# KiCad board europe-ergo-smd.kicad_pcb (continued)
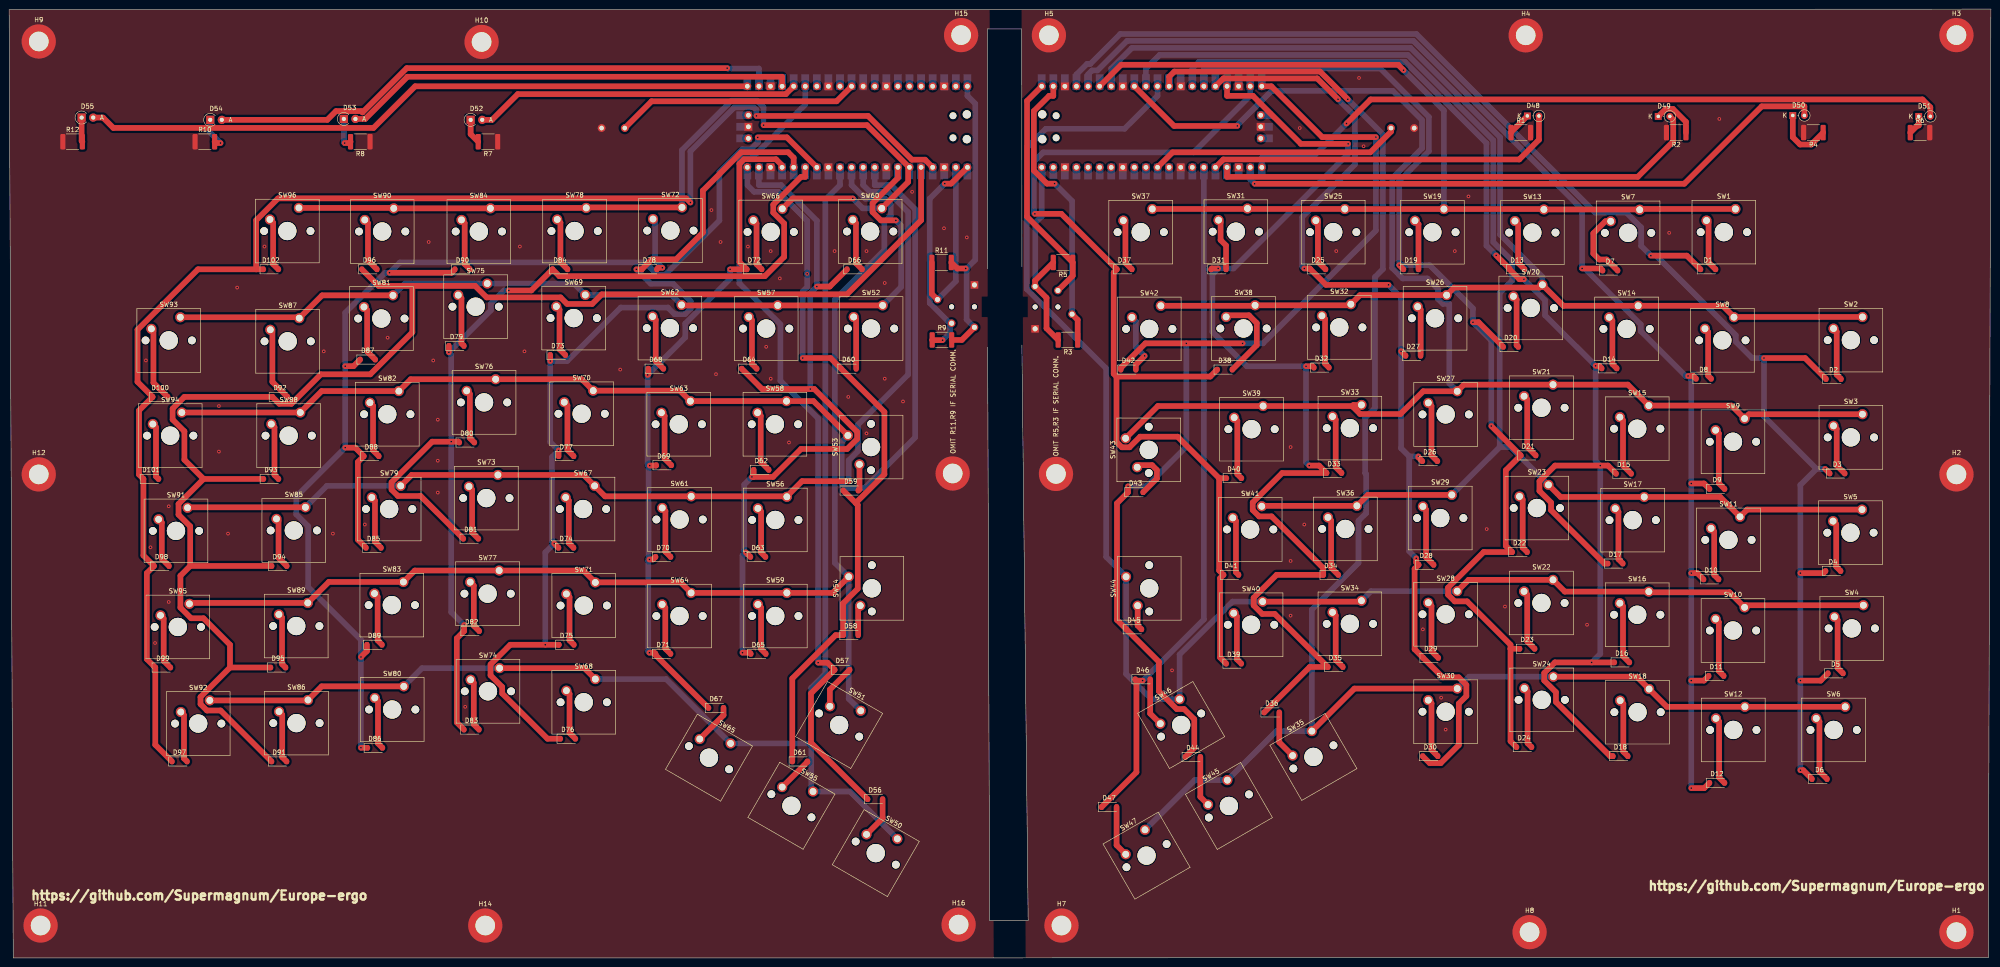
[diagram p0: board, top side]
## Nets (continued)
SDA I2C0: J2.2 R9.1 U2.1
sdaR: J1.2 R5.1 U1.1
Net-(D1-A): D1.2 SW1.2
Net-(D2-A): D2.2 SW2.2
Net-(D3-A): D3.2 SW3.2
Net-(D4-A): D4.2 SW5.2
Net-(D5-A): D5.2 SW4.2
Net-(D6-A): D6.2 SW6.2
Net-(D7-A): D7.2 SW7.2
Net-(D8-A): D8.2 SW8.2
Net-(D9-A): D9.2 SW9.2
Net-(D10-A): D10.2 SW11.2
Net-(D11-A): D11.2 SW10.2
Net-(D12-A): D12.2 SW12.2
Net-(D13-A): D13.2 SW13.2
Net-(D14-A): D14.2 SW14.2
Net-(D15-A): D15.2 SW15.2
Net-(D16-A): D16.2 SW16.2
Net-(D17-A): D17.2 SW17.2
Net-(D18-A): D18.2 SW18.2
Net-(D19-A): D19.2 SW19.2
Net-(D20-A): D20.2 SW20.2
Net-(D21-A): D21.2 SW21.2
Net-(D22-A): D22.2 SW23.2
Net-(D23-A): D23.2 SW22.2
Net-(D24-A): D24.2 SW24.2
Net-(D25-A): D25.2 SW25.2
Net-(D26-A): D26.2 SW27.2
Net-(D27-A): D27.2 SW26.2
Net-(D28-A): D28.2 SW29.2
Net-(D29-A): D29.2 SW28.2
Net-(D30-A): D30.2 SW30.2
Net-(D31-A): D31.2 SW31.2
Net-(D32-A): D32.2 SW32.2
Net-(D33-A): D33.2 SW33.2
Net-(D34-A): D34.2 SW36.2
Net-(D35-A): D35.2 SW34.2
Net-(D36-A): D36.2 SW35.2
Net-(D37-A): D37.2 SW37.2
Net-(D38-A): D38.2 SW38.2
Net-(D39-A): D39.2 SW40.2
Net-(D40-A): D40.2 SW39.2
Net-(D41-A): D41.2 SW41.2
Net-(D42-A): D42.2 SW42.2
Net-(D43-A): D43.2 SW43.2
Net-(D44-A): D44.2 SW45.2
Net-(D45-A): D45.2 SW44.2
Net-(D46-A): D46.2 SW46.2
Net-(D47-A): D47.2 SW47.2
Net-(D48-K): D48.1 R1.1
Net-(D49-K): D49.1 R2.1
Net-(D50-K): D50.1 R4.1
Net-(D51-K): D51.1 R6.1
Net-(D52-K): D52.1 R7.2
Net-(D53-K): D53.1 R8.2
Net-(D54-K): D54.1 R10.2
Net-(D55-K): D55.1 R12.2
Net-(D56-A): D56.2 SW50.2
Net-(D57-A): D57.2 SW51.2
Net-(D58-A): D58.2 SW54.2
Net-(D59-A): D59.2 SW53.2
Net-(D60-A): D60.2 SW52.2
Net-(D61-A): D61.2 SW55.2
Net-(D62-A): D62.2 SW58.2
Net-(D63-A): D63.2 SW56.2
Net-(D64-A): D64.2 SW57.2
Net-(D65-A): D65.2 SW59.2
Net-(D66-A): D66.2 SW60.2
Net-(D67-A): D67.2 SW65.2
Net-(D68-A): D68.2 SW62.2
Net-(D69-A): D69.2 SW63.2
Net-(D70-A): D70.2 SW61.2
Net-(D71-A): D71.2 SW64.2
Net-(D72-A): D72.2 SW66.2
Net-(D73-A): D73.2 SW69.2
Net-(D74-A): D74.2 SW67.2
Net-(D75-A): D75.2 SW71.2
Net-(D76-A): D76.2 SW68.2
Net-(D77-A): D77.2 SW70.2
Net-(D78-A): D78.2 SW72.2
Net-(D79-A): D79.2 SW75.2
Net-(D80-A): D80.2 SW76.2
Net-(D81-A): D81.2 SW73.2
Net-(D82-A): D82.2 SW77.2
Net-(D83-A): D83.2 SW74.2
Net-(D84-A): D84.2 SW78.2
Net-(D85-A): D85.2 SW79.2
Net-(D86-A): D86.2 SW80.2
Net-(D87-A): D87.2 SW81.2
Net-(D88-A): D88.2 SW82.2
Net-(D89-A): D89.2 SW83.2
Net-(D90-A): D90.2 SW84.2
Net-(D91-A): D91.2 SW86.2
Net-(D92-A): D92.2 SW87.2
Net-(D93-A): D93.2 SW88.2
Net-(D94-A): D94.2 SW85.2
Net-(D95-A): D95.2 SW89.2
Net-(D96-A): D96.2 SW90.2
Net-(D97-A): D97.2 SW92.2
Net-(D98-A): D98.2 SW91.2
Net-(D99-A): D99.2 SW95.2
Net-(D100-A): D100.2 SW93.2
Net-(D101-A): D101.2 SW94.2
Net-(D102-A): D102.2 SW96.2
Net-(U2-RUN): SW49.1 U2.30

Pads without a net: U1 27 29 31 32 34 35 36 37 39 41 43; U2 27 29 32 34 35 36 37 39 41 43

## Via types
v1: diameter 0.8, hole 0.4, Top to Bottom, 145 vias

## Routing (per net, layer and track width the routed paths; a pad name or vN(x,y) marks a point on that pad's centre or on a via; arc(x,y) is an arc through that point)
GNDL:
  vias: v1(30,131.1) v1(31,90.1) v1(32,69.1) v1(35,99.1) v1(35,78.1) v1(46,121.1) v1(46,111.1) v1(48,93.1) v1(50,147.1) v1(56,156.1) v1(69,133.1) v1(71,93.1) v1(78,95.1) v1(83,136.1) v1(92,157.1) v1(93,131.1) v1(94,118.1) v1(94,109.1) v1(94,102.1) v1(100,55.1) v1(112,156.1) v1(113,133.1) v1(134,129.1) v1(154,164.1) v1(155,128.1) v1(156,157.1) v1(162,156.1) v1(166,134.1) v1(167,155.1) v1(167,127.1) v1(169,149.1) v1(171,113.1) v1(181,155.1) v1(184,123.1) v1(188,155.1) v1(188,115.1) v1(192,148.1) v1(192,127.1) v1(196,122.1) v1(198,168.1) v1(205,160.1) v1(210,158.1)
GNDR:
  vias: v1(255,63.1) v1(281,112.1) v1(281,87.1) v1(281,75.1) v1(283,182.1) v1(284,95.1) v1(291,155.1) v1(296,193.1) v1(297,178.1) v1(310,72.1) v1(314,57.1) v1(315,50.1) v1(317,155.1) v1(320,167.1) v1(324,94.1) v1(328,77.1) v1(346,73.1) v1(364,159.1) v1(375,184.1)
VCCL: length 65.1
  Top w1.24: J2.4 208.9,135.6 R9.2 ; v1(209.75,151.29) 207.91,151.29 R11.2
  Bottom w1.24: U2.40 210.13,189.17 211.85,187.45 211.85,153.18 209.96,151.29 ; 209.96,151.29 209.96,140.08 J2.4 ; 209.96,151.29 v1(209.75,151.29)
VCCR: length 47.5
  Top w1.24: R3.2 227.48,138.16 227.48,144.85 224.98,147.35 224.98,148.62 R5.2
  Bottom w1.24: U1.40 226.42,162.74 225,161.32 225,147.38 224.98,147.35
/RUN: length 55.2
  Top w1.24: SW48.1 303.01,181.31 298.47,176.77 255.11,176.77 U1.30
Arrow-Left: length 180.7
  Top w1.24: v1(177.39,64.78) 179.45,64.78 D57.1 175.83,58.04 175.83,47.22 D56.1
  Bottom w1.24: v1(177.39,64.78) 177.39,118.38 169.12,126.66 169.12,139.04 160.12,148.03 160.12,174.68 160.88,175.43 162.76,175.43 174.57,187.25 U2.26
Arrow-Right: length 150.9
  Top w1.24: 247.19,60.85 247.19,40.75 D47.1 ; 247.19,60.85 D46.1 ; 247.19,60.85 v1(248.56,60.85)
  Bottom w1.24: v1(248.56,60.85) 261.98,74.27 U1.26
COL1: length 317.7
  Top w1.24: 54.17,151.1 54.17,161.86 58.97,166.67 148.48,166.67 v1(149.39,165.75) ; 54.17,151.1 41.41,151.1 28.15,137.84 28.15,126.41 D100.1 28.48,120.12 28.48,106.07 D101.1 29.45,88.31 D98.1 30.19,84.43 30.19,65.58 D99.1 32.05,46.76 D97.1 ; 54.17,151.1 D102.1 ; v1(163.86,184.76) 188.34,184.76 197.94,175.16 200.84,175.16 U2.4
  Bottom w1.24: v1(149.39,165.75) 149.39,177 159.03,186.64 163.34,186.64 163.86,186.12 163.86,184.76 v1(163.86,184.76)
COL1R: length 333
  Top w1.24: v1(384.8,131.63) 393.8,131.63 D2.1 ; 398.82,62.44 397.23,60.85 v1(392.78,60.85) ; D6.1 393.39,41.19 v1(392.78,41.19) ; v1(360,154.1) 367.87,154.1 D1.1 ; v1(392.78,84.44) 397.84,84.44 D4.1 ; 399.2,106.3 v1(398.2,107.3)
  Bottom w1.24: v1(398.2,107.3) 396.31,107.3 ; 396.31,107.3 384.8,118.81 v1(384.8,131.63) 382.21,131.63 378.62,135.22 378.62,136.63 361.15,154.1 v1(360,154.1) 357.87,156.23 357.87,160.29 354.6,163.56 347.76,163.56 308.58,202.74 243.64,202.74 237.08,196.18 236.35,196.18 234.04,193.87 U1.4 ; 396.31,107.3 392.78,103.77 v1(392.78,84.44) v1(392.78,60.85) v1(392.78,41.19)
COL2: length 357.2
  Top w1.24: 42.64,105.1 38.44,109.3 38.44,115.54 35.85,118.13 35.85,120.53 38.42,123.1 D92.1 59.24,121.59 61.89,121.59 68.35,128.06 79.19,128.06 88.42,137.29 88.42,147.46 ; 42.64,105.1 D93.1 ; 42.64,105.1 37.15,99.61 37.15,97.26 39.71,94.71 39.71,86 ; 88.42,147.46 80.99,147.46 D96.1 ; 88.42,147.46 102.19,147.46 104.71,144.94 120.91,144.94 122.34,143.5 127.84,143.5 129.94,145.61 183.72,145.61 199.97,161.86 U2.5 ; 48.43,63.72 48.43,68.71 42.62,74.53 39.9,74.53 37.56,76.86 37.56,83.86 39.71,86 ; 48.43,63.72 D95.1 ; 48.43,63.72 41.97,57.26 41.97,55.7 43.37,54.29 46.35,54.29 D91.1 ; 39.71,86 D94.1
COL2R: length 290
  Top w1.24: D7.1 348.95,151.29 v1(344.91,151.29) ; v1(368.85,84.44) 370.16,84.44 D10.1 ; D8.1 369.31,127.69 v1(368.16,127.69) ; D12.1 371.69,37.25 v1(368.85,37.25) ; v1(368.85,104.1) 371.65,104.1 D9.1 ; D11.1 371.64,60.85 v1(368.85,60.85)
  Bottom w1.24: U1.5 236.58,193.87 237.45,194.73 238.63,194.73 245.13,201.23 307.92,201.23 344.91,164.24 v1(344.91,151.29) 345.49,151.29 357.79,138.99 357.79,137.52 367.62,127.69 v1(368.16,127.69) 368.85,127 v1(368.85,104.1) v1(368.85,84.44) v1(368.85,60.85) v1(368.85,37.25)
COL3: length 286.4
  Top w1.24: U2.14 170.54,180.06 v1(164.15,180.06) ; D90.1 96.99,150.34 v1(83.41,150.34) ; D86.1 v1(77.15,46.1) ; D89.1 78.46,67.34 v1(77.15,66.03) ; D85.1 76.48,91.77 76.48,108.82 D88.1 75.9,111.96 v1(73.69,111.96) ; D87.1 75.52,129.85 v1(73.69,129.85)
  Bottom w1.24: v1(77.15,46.1) v1(77.15,66.03) 77.15,69.8 65.54,81.4 65.54,94.74 62.96,97.33 62.96,101.23 v1(73.69,111.96) v1(73.69,129.85) 73.69,141.56 82.47,150.34 v1(83.41,150.34) 85.69,152.61 139.46,152.61 142.17,149.9 143.83,149.9 155.74,161.81 155.74,172.43 160.77,177.45 162.65,177.45 164.15,178.95 v1(164.15,180.06)
COL3R: length 288.4
  Top w1.24: v1(347.88,129.91) 348.66,129.91 D14.1 ; D18.1 351.07,44.26 339.19,56.15 339.19,58.3 336.61,60.87 336.61,62.51 338.95,64.84 v1(347.01,64.84) D16.1 ; D17.1 349.82,86.53 338.12,98.24 338.12,99.91 335.57,102.46 335.57,104.62 338.98,108.03 v1(348.9,108.03) 350.6,108.03 D15.1 ; v1(326.07,154.17) 329,151.23 D13.1 331.17,148.93 v1(332.16,148.93)
  Bottom w1.24: v1(347.01,64.84) 348.9,66.73 v1(348.9,108.03) 347.88,109.05 v1(347.88,129.91) 336.79,141.01 336.79,144.3 v1(332.16,148.93) ; v1(326.07,154.17) 323.94,156.29 323.94,178.78 306.07,196.65 260.93,196.65 259.44,195.16 U1.14
COL4: length 235.7
  Top w1.24: D81.1 90.22,101.36 85.26,101.36 83.86,102.76 83.86,104.36 92.78,113.28 v1(96.94,113.28) 98.52,113.28 D80.1 ; D79.1 v1(96.43,132.9) ; D83.1 98.16,51.67 98.16,70.11 D82.1 v1(99.77,73.04) ; v1(109.59,146.46) 114.51,146.46 D84.1 120.65,149.6 165.7,149.6 169.94,153.83 169.94,161.15 167.57,163.53 167.57,165.3 173.65,171.39 174.57,171.39 U2.15
  Bottom w1.24: v1(99.77,73.04) 96.94,75.87 v1(96.94,113.28) 96.94,132.39 v1(96.43,132.9) 105.65,142.12 105.65,143.61 108.5,146.46 v1(109.59,146.46)
COL4R: length 244.9
  Top w1.24: D24.1 329.22,47.56 329.22,67.84 ; v1(304.82,152.02) D19.1 ; 329.22,67.84 329.22,68.71 319.7,78.23 316.99,78.23 315.53,79.69 315.53,81.26 323.33,89.06 D22.1 328.18,90.43 328.18,106.99 D21.1 v1(325,116.71) ; 329.22,67.84 D23.1 ; v1(320.98,139.49) 322.22,139.49 D20.1
  Bottom w1.24: v1(325,116.71) 325,135.47 v1(320.98,139.49) 320.98,142.52 311.48,152.02 v1(304.82,152.02) 304.82,170.52 311.32,177.02 311.32,184.53 300.69,195.16 261.98,195.16 U1.15
COL5: length 215.9
  Top w1.24: v1(120.49,111.37) D77.1 ; D73.1 v1(118.65,130.97) ; U2.16 172.03,175.58 170.81,176.8 160.54,176.8 152.13,168.38 152.13,159.18 146.24,153.29 140.92,153.29 D78.1 v1(137.53,151.1) ; D75.1 120.53,68.71 v1(117.56,68.71) 109.89,68.71 105.56,64.39 105.56,62 108.12,59.44 108.12,58.03 118.04,48.1 D76.1 ; D74.1 v1(119.52,90.94)
  Bottom w1.24: v1(137.53,151.1) 140.7,147.93 145.61,147.93 149.44,144.09 149.44,142.49 148.21,141.26 145.9,141.26 144.45,142.71 134.11,142.71 122.38,130.97 v1(118.65,130.97) 118.65,113.21 v1(120.49,111.37) 119.03,109.91 119.03,91.43 v1(119.52,90.94) 117.56,88.98 v1(117.56,68.71)
COL5R: length 219.6
  Top w1.24: v1(283.99,151.29) 285.16,151.29 D25.1 288.76,147.69 v1(302.47,147.69) ; v1(309.02,110.04) 309.02,109.85 D26.1 ; v1(308.55,87.69) 308.55,86.77 D28.1 308.19,85.39 308.19,67.72 D29.1 314.33,61.58 317.86,61.58 319.54,59.9 319.54,57.46 317.88,55.8 317.88,46.71 313.91,42.74 311.49,42.74 D30.1 ; v1(291.4,188.42) 286.83,192.99 266.25,192.99 U1.16 ; v1(305.22,133.13) D27.1
  Bottom w1.24: v1(302.47,147.69) 305.22,144.94 v1(305.22,133.13) 305.22,111.83 307,110.04 ; 307,110.04 307,89.23 v1(308.55,87.69) ; 307,110.04 v1(309.02,110.04) ; v1(291.4,188.42) 295.11,184.72 295.11,174.12 283.54,162.55 283.54,151.74 v1(283.99,151.29)
COL6: length 153
  Top w1.24: U2.17 169.49,173.92 168.15,175.25 161.15,175.25 160.14,174.23 160.14,152.69 D72.1 v1(158.09,151.1) ; D68.1 140.15,128.06 v1(140.01,127.92) ; v1(140.39,66.97) 141.48,66.97 D71.1 141.73,66.47 D67.1 ; v1(140.47,108.03) 141.82,108.03 D69.1 ; v1(140.4,87.44) 141.18,87.44 D70.1
  Bottom w1.24: v1(140.39,66.97) 140.15,67.21 140.15,87.19 v1(140.4,87.44) 140.21,87.62 140.21,108.03 ; 140.21,108.03 v1(140.47,108.03) ; 140.21,108.03 140.01,108.23 v1(140.01,127.92) 148.25,136.16 148.25,139.19 158.09,149.02 v1(158.09,151.1)
COL6R: length 243.9
  Top w1.24: D32.1 285.81,129.83 v1(284.37,129.83) ; v1(285.08,108.03) 287.24,108.03 D33.1 279.15,106.4 272.69,99.94 272.69,98.27 274.09,96.88 276.82,96.88 288.15,85.55 D34.1 277.93,84.06 272.89,79.02 272.89,77.35 274.78,75.47 277.52,75.47 D35.1 285.19,63.84 D36.1 ; D31.1 263.73,151.29 v1(265.11,151.29) ; v1(293.61,178.62) 283.26,178.62 272.72,189.17 267.06,189.17 U1.17
  Bottom w1.24: v1(285.08,108.03) 284.37,108.74 v1(284.37,129.83) 271.4,129.83 263.85,137.38 263.85,150.03 v1(265.11,151.29) 268.48,151.29 293.61,176.41 v1(293.61,178.62)
COL7: length 169.3
  Top w1.24: v1(177.12,147.32) 179.95,147.32 D66.1 ; 163.27,105.55 167.5,105.55 173.64,111.68 183.76,111.68 185.95,113.87 185.95,115.43 176.55,124.83 v1(175.66,124.83) 165.1,124.83 D64.1 ; 163.27,105.55 D62.1 ; 163.27,105.55 v1(162.88,105.55) ; D65.1 162.38,66.97 v1(160.81,66.97) ; D63.1 v1(161.53,89.01)
  Bottom w1.24: v1(162.88,105.55) 161.19,103.85 161.19,89.35 v1(161.53,89.01) 160.81,88.28 v1(160.81,66.97) ; v1(175.66,124.83) 175.66,145.86 v1(177.12,147.32) 177.12,161.76 169.29,169.59 164.41,169.59 U2.19
COL7R: length 222.5
  Top w1.24: D39.1 265.53,65.92 265.53,83.31 D41.1 265.33,85.01 265.33,105.26 ; 242.82,127.57 242.82,113.23 244,112.05 245.67,112.05 248,114.37 256.21,114.37 265.33,105.26 ; 242.82,127.57 242.21,128.18 242.21,150.41 D37.1 230.72,163.28 v1(224.93,163.28) ; 242.82,127.57 263.38,127.57 D38.1 ; 265.33,105.26 D40.1
  Bottom w1.24: U1.19 272.14,189.17 259.74,176.77 226.74,176.77 224.7,174.73 224.7,163.5 v1(224.93,163.28)
COL8: length 163.9
  Top w1.24: 185.64,99.83 191.93,106.12 191.93,119.8 D60.1 180.1,131.63 v1(174.02,131.63) ; 185.64,99.83 D59.1 ; 185.64,99.83 186.09,99.38 186.09,81.01 182.87,77.8 D58.1 181.23,70.82 171.73,61.32 D61.1
  Bottom w1.24: v1(174.02,131.63) 174.02,146.25 175,147.23 v1(175,150.1) 175,161.76 168.66,168.1 163.36,168.1 161.87,169.59 U2.20
COL8R: length 227.2
  Top w1.24: v1(270.48,134.86) v1(258.13,134.86) 249.15,134.86 243.76,129.46 D42.1 ; D44.1 259.87,46.07 259.87,52.36 257.63,54.61 256.03,54.61 252.11,58.52 252.11,64.98 D45.1 242.93,74.16 242.93,99.76 D43.1 v1(245.35,103.49) ; U1.20 276.77,191.26 287.93,180.11 v1(299.71,180.11)
  Bottom w1.24: v1(245.35,103.49) 249.44,103.49 258.13,112.18 v1(258.13,134.86) ; v1(299.71,180.11) 299.71,159.61 274.95,134.86 v1(270.48,134.86)
PWM1: length 148.2
  Top w1.24: D55.2 20.58,184.4 22.86,182.13 79.9,182.13 89.03,191.26 U2.21
PWM1R: length 156.7
  Top w1.24: v1(293.26,183.1) 298.54,188.38 419.55,188.38 421.27,186.66 D51.2
  Bottom w1.24: v1(293.26,183.1) 285.74,175.58 274.68,175.58 U1.21
PWM2: length 126.6
  Top w1.24: D54.2 69.76,183.9 71.68,185.82 77.21,185.82 77.49,185.54 87.19,195.24 v1(157.45,195.24)
  Bottom w1.24: U2.22 164.41,195.16 157.53,195.16 v1(157.45,195.24)
PWM2R: length 133.6
  Top w1.24: D50.2 393.65,186.85 384.3,186.85 367.32,169.88 v1(273.12,169.88)
  Bottom w1.24: v1(273.12,169.88) 272.14,170.85 U1.22
PWM3: length 99.5
  Top w1.24: D53.2 78.09,184.1 87.34,193.36 169.49,193.36 U2.24
PWM3R: length 109
  Top w1.24: D49.2 364.9,183.92 364.9,179.17 357.12,171.39 267.06,171.39 U1.24
PWM4: length 71.3
  Top w1.24: D52.2 105.88,183.9 111.53,189.54 170.31,189.54 U2.25
PWM4R: length 78.7
  Top w1.24: D48.2 335.45,179.53 331.13,175.21 266.24,175.21 U1.25
ROW1: length 194.6
  Top w1.24: SW60.1 197.14,170.28 197.14,173.48 ; SW96.1 84.24,164.58 SW90.1 SW84.1 105.64,164.58 SW78.1 126.64,164.68 SW72.1 ; SW66.1 171.81,166.65 v1(185.01,166.65) ; v1(165.43,182.74) 188.1,182.74 197.14,173.7 197.14,173.48 ; 197.14,173.48 U2.6
  Bottom w1.24: v1(165.43,182.74) 165.43,186.66 163.96,188.13 158.41,188.13 147.54,177.26 SW72.1 ; v1(185.01,166.65) 187.18,164.48 SW60.1
ROW1R: length 231.3
  Top w1.24: SW37.1 271.44,164.34 SW31.1 271.64,164.34 SW25.1 292.9,164.32 SW19.1 336.46,164.32 SW13.1 357.48,164.24 SW7.1 357.7,164.34 SW1.1 ; U1.6 243.84,195.99 304.58,195.99 v1(305.76,194.8)
  Bottom w1.24: SW19.1 314.62,185.94 v1(305.76,194.8)
ROW2: length 198
  Top w1.24: U2.7 194.89,171.16 189.33,165.6 189.33,163.67 191.15,161.84 v1(194.45,161.84) ; SW81.1 68.62,145.38 SW87.1 63.42,140.58 SW93.1 ; SW52.1 SW57.1 147.54,143.18 SW62.1
  Bottom w1.24: SW52.1 195.6,147.24 195.6,160.69 v1(194.45,161.84) ; SW62.1 145.24,145.48 SW69.1 123.84,147.98 SW75.1 86.76,147.98 SW81.1
ROW2R: length 294.1
  Top w1.24: 378.21,140.64 SW8.1 ; 378.21,140.64 SW2.1 ; 378.21,140.64 375.75,143.1 SW14.1 340.81,143.1 SW20.1 335.61,147.1 316.87,147.1 SW26.1 296.21,145.44 SW32.1 293.97,143.2 SW38.1 273.11,143.1 SW42.1
  Bottom w1.24: U1.7 241.66,195.16 246.19,199.69 307.3,199.69 326.92,180.06 326.92,158.72 336.21,149.44 SW20.1
ROW3: length 251.5
  Top w1.24: SW53.1 176.38,122.18 SW58.1 SW63.1 147.08,124.48 SW70.1 125.58,126.98 SW76.1 88.06,126.98 SW82.1 68.54,124.38 SW88.1 SW94.1
  Bottom w1.24: SW53.1 182.57,113.29 182.57,104.01 183.48,103.1 187.57,103.1 198.67,114.2 198.67,164.3 193.37,169.59 189.81,169.59 U2.9
ROW3R: length 318.3
  Top w1.24: 294.54,121.1 294.78,121.34 SW33.1 ; 294.54,121.1 294.54,121.03 296.22,119.35 305.09,119.35 310.07,124.34 SW27.1 319,125.8 SW21.1 354.94,125.8 SW15.1 377.68,121.2 SW9.1 381.5,119.3 SW3.1 ; 294.54,121.1 SW39.1 251.9,121.1 SW43.1 ; v1(269.31,182.57) 255.44,182.57 U1.9
  Bottom w1.24: v1(269.31,182.57) 269.31,182.74 276.84,190.27 303.4,190.27 309.81,183.86 309.81,177.66 303.26,171.11 303.26,151.4 305.56,149.1 311,149.1 313.29,146.81 313.29,144.64 314.41,143.52 315.79,143.52 315.79,126.09 SW27.1
ROW4: length 232
  Top w1.24: 170.54,101.28 173.87,104.61 v1(184.09,104.61) ; 170.54,101.28 SW61.1 130.68,101.28 SW67.1 125.98,105.98 SW73.1 88.27,105.98 SW79.1 ; 170.54,101.28 SW56.1 ; SW91.1 39.23,98.88 SW85.1
  Bottom w1.24: v1(184.09,104.61) 184.09,109.17 186.13,111.21 186.13,117 197.13,128 197.13,163.67 192.7,168.1 188.76,168.1 187.27,169.59 U2.10 ; SW79.1 69.67,103.58 SW85.1
ROW4R: length 303.2
  Top w1.24: SW5.1 381.12,98.38 SW11.1 375.2,101.14 SW17.1 340.2,101.14 SW23.1 ; SW29.1 297.94,101.6 SW36.1 274.77,99.2 SW41.1
  Bottom w1.24: SW23.1 329.24,112.1 326.85,112.1 ; U1.10 249.28,195.16 252.26,198.14 306.71,198.14 325.43,179.41 325.43,157.07 329.6,152.9 329.6,148.65 326.85,145.9 326.85,112.1 ; 326.85,112.1 SW29.1
ROW5: length 283.8
  Top w1.24: SW54.1 180.56,80.1 SW59.1 SW64.1 147.24,82.4 SW71.1 125.94,85 SW77.1 88.96,85 SW83.1 70.1,82.5 SW89.1 39.74,77.9 SW95.1
  Bottom w1.24: U2.11 184.73,169.59 187.71,166.61 192,166.61 193.31,165.29 193.31,162.91 191.92,161.51 191.92,155.33 181.06,144.48 181.06,86.68 SW54.1 184.1,56.87 SW51.1
ROW5R: length 343.2
  Top w1.24: SW28.1 320.02,82.96 SW22.1 341.12,80.38 SW16.1 359.7,80.22 377.24,80.22 SW10.1 381,77.38 SW4.1 ; SW34.1 296.34,78.18 SW40.1
  Bottom w1.24: SW34.1 298.64,80.48 SW28.1 ; SW40.1 268.26,78.18 256.66,66.58 SW46.1 250.46,56.77 244.92,62.31 SW44.1 240.55,88.01 240.55,129.35 223.16,146.74 223.16,177.77 227.32,181.93 244.58,181.93 251.82,189.17 U1.11
ROW6: length 304.2
  Top w1.24: SW74.1 126.14,63.58 SW68.1 ; SW92.1 65.44,56.5 SW86.1 68.52,59.58 SW80.1
  Bottom w1.24: 175.88,47.06 SW65.1 144.08,61.18 SW68.1 ; 175.88,47.06 175.88,59.27 178.97,62.36 178.97,166.37 182.19,169.59 U2.12 ; 175.88,47.06 175.88,36.91 SW55.1 184.38,36.51 SW50.1 ; SW80.1 90.54,63.58 SW74.1
ROW6R: length 362.9
  Top w1.24: v1(293.54,188.42) 287.46,194.5 255.5,194.5 254.36,193.36 U1.12 ; SW35.1 294.99,59.1 SW30.1 ; SW6.1 SW12.1 363.51,55.1 SW18.1 356.91,61.7 SW24.1
  Bottom w1.24: SW47.1 259.97,39.01 SW45.1 277.89,49.77 SW35.1 285.66,76.44 295.88,86.66 295.88,95.91 297.56,97.58 297.56,106.19 297.34,106.41 297.34,118.5 299.5,120.66 299.5,149.41 301.23,151.14 301.23,180.73 v1(293.54,188.42) ; SW24.1 320.14,61.7 SW30.1
SCL I2C0: length 39.3
  Top w1.24: R11.1 202.32,145.72 J2.3
  Bottom w1.24: U2.2 207.59,148.49 J2.3
sclR: length 62.9
  Top w1.24: v1(229.25,169.91) 227.56,169.91 224.69,172.78 224.69,185.82 228.04,189.17 228.96,189.17 U1.2 ; R3.1 234.31,140.02 J1.3
  Bottom w1.24: v1(229.25,169.91) 233.07,166.09 J1.3
SDA I2C0: length 47.3
  Top w1.24: R9.1 202.44,135.56 v1(204.69,135.56) ; v1(205.17,169.91) 206.55,169.91 U2.1
  Bottom w1.24: v1(205.17,169.91) 201.87,166.62 201.87,143.7 206.3,139.27 ; v1(204.69,135.56) 206.3,137.17 206.3,139.27 ; 206.3,139.27 J2.2
sdaR: length 51.7
  Top w1.24: 229.98,146.45 233.23,149.7 R5.1 223.2,162.63 223.2,188.04 U1.1
Net-(D1-A): length 11.5
  Top w1.24: SW1.2 372.65,161.34 372.65,152.62 D1.2
Net-(D2-A): length 11.7
  Top w1.24: D2.2 400.74,127.99 400.74,137.41 SW2.2
Net-(D3-A): length 11.5
  Top w1.24: SW3.2 400.74,116.06 400.74,108.06 D3.2
Net-(D4-A): length 11.6
  Top w1.24: SW5.2 400.64,95.14 400.64,85.85 401.6,84.89
Net-(D5-A): length 13.2
  Top w1.24: SW4.2 400.94,74.14 400.94,63.62 D5.2
Net-(D6-A): length 14.3
  Top w1.24: D6.2 396.95,40.92 396.95,51.86 SW6.2
Net-(D7-A): length 16.2
  Top w1.24: SW7.2 350.02,161.64 347.38,159 347.38,154.56 348.69,153.25 350.29,153.25 D7.2
Net-(D8-A): length 11.5
  Top w1.24: D8.2 372.56,127.75 372.56,137.37 SW8.2
Net-(D9-A): length 13.7
  Top w1.24: SW9.2 374.88,115.1 374.88,104.16 D9.2
Net-(D10-A): length 11.9
  Top w1.24: SW11.2 373.88,93.56 373.88,84.01 D10.2
Net-(D11-A): length 13.2
  Top w1.24: SW10.2 374.88,73.69 374.88,62.97 D11.2
Net-(D12-A): length 14.9
  Top w1.24: SW12.2 374.95,51.86 374.95,39.59 D12.2
Net-(D13-A): length 11.5
  Top w1.24: SW13.2 330.88,161 330.88,152.51 D13.2
Net-(D14-A): length 11.9
  Top w1.24: SW14.2 351.56,139.87 351.56,130.31 D14.2
Net-(D15-A): length 13.4
  Top w1.24: D15.2 353.88,108.04 353.88,117.96 SW15.2
Net-(D16-A): length 13.9
  Top w1.24: SW16.2 353.88,77.14 353.88,66.22 D16.2
Net-(D17-A): length 12.7
  Top w1.24: D17.2 352.88,87.49 352.88,97.91 SW17.2
Net-(D18-A): length 12.9
  Top w1.24: SW18.2 353.95,55.76 353.95,45.25 D18.2
Net-(D19-A): length 11
  Top w1.24: SW19.2 309.04,161.01 D19.2
Net-(D20-A): length 11.5
  Top w1.24: D20.2 330.56,134.45 330.56,144.46 SW20.2
Net-(D21-A): length 14.1
  Top w1.24: SW21.2 332.88,122.56 332.88,112.12 D21.2
Net-(D22-A): length 12.9
  Top w1.24: SW23.2 331.88,100.56 331.88,90.03 D22.2
Net-(D23-A): length 13.5
  Top w1.24: D23.2 332.88,69.47 332.88,79.72 SW22.2
Net-(D24-A): length 13.5
  Top w1.24: D24.2 332.95,47.12 332.95,58.47 SW24.2
Net-(D25-A): length 11.6
  Top w1.24: D25.2 286.99,152.76 286.99,161.34 SW25.2
Net-(D26-A): length 13.6
  Top w1.24: D26.2 311.88,110.28 311.88,121.1 SW27.2
Net-(D27-A): length 11
  Top w1.24: D27.2 309.51,142.25 SW26.2
Net-(D28-A): length 13.8
  Top w1.24: SW29.2 310.69,98.36 310.69,87.92 D28.2
Net-(D29-A): length 13
  Top w1.24: SW28.2 311.88,77.25 311.88,67.32 D29.2
Net-(D30-A): length 13.2
  Top w1.24: D30.2 311.88,45.64 311.88,55.86 SW30.2
Net-(D31-A): length 11.5
  Top w1.24: SW31.2 265.65,161.44 265.65,157.52 266.84,156.33 D31.2
Net-(D32-A): length 12
  Top w1.24: D32.2 288.56,130.39 288.56,140.2 SW32.2
Net-(D33-A): length 13.2
  Top w1.24: SW33.2 290.88,118.1 290.88,107.68 D33.2
Net-(D34-A): length 13.5
  Top w1.24: SW36.2 289.88,95.97 289.88,85.62 D34.2
Net-(D35-A): length 12.9
  Top w1.24: SW34.2 290.88,75.14 290.88,65.41 D35.2
Net-(D36-A): length 10.7
  Top w1.24: D36.2 278.51,47.32 SW35.2
Net-(D37-A): length 11.5
  Top w1.24: SW37.2 244.78,161.34 244.78,152.52 D37.2
Net-(D38-A): length 20
  Top w1.24: SW38.2 267.21,141.01 271.86,141.01 273.58,139.3 273.58,134.46 D38.2
Net-(D39-A): length 11.7
  Top w1.24: SW40.2 269.21,74.94 269.21,65.53 D39.2
Net-(D40-A): length 14
  Top w1.24: SW39.2 269.31,117.86 269.31,106.14 D40.2
Net-(D41-A): length 13
  Top w1.24: SW41.2 269.01,95.86 269.01,84.62 D41.2
Net-(D42-A): length 13.4
  Top w1.24: D42.2 247.06,130.16 v1(249,132.1)
  Bottom w1.24: SW42.2 247.06,139.69 247.06,134.04 v1(249,132.1)
Net-(D43-A): length 11.1
  Top w1.24: SW43.2 247.82,108.13 250.61,108.13 251.68,107.06 251.68,105.21 D43.2
Net-(D44-A): length 11.2
  Top w1.24: SW45.2 261.2,35.34 D44.2
Net-(D45-A): length 5.5
  Top w1.24: SW44.2 247.46,72.93 D45.2
Net-(D46-A): length 10.7
  Top w1.24: SW46.2 250.21,53.62 D46.2
Net-(D47-A): length 11.2
  Top w1.24: SW47.2 242.84,24.74 D47.2
Net-(D48-K): length 5.1
  Top w1.24: R1.1 329.33,181.18 D48.1
Net-(D49-K): length 10.3
  Top w1.24: R2.1 367.69,183.45 364.83,186.31 363.27,186.31 D49.1
Net-(D50-K): length 13.2
  Top w1.24: R4.1 395.16,178.49 392.71,178.49 391.11,180.08 D50.1
Net-(D51-K): length 4.5
  Top w1.24: D51.1 418.73,182.66 418.44,182.66 R6.1
Net-(D52-K): length 5.5
  Top w1.24: R7.2 101.2,180.76 D52.1
Net-(D53-K): length 6.8
  Top w1.24: R8.2 74.57,178.81 v1(73.57,178.81)
  Bottom w1.24: v1(73.57,178.81) 73.4,178.98 D53.1
Net-(D54-K): length 7.4
  Top w1.24: R10.2 45.35,178.81 v1(46.36,178.81)
  Bottom w1.24: v1(46.36,178.81) 44.1,181.07 D54.1
Net-(D55-K): length 5.4
  Top w1.24: D55.1 15.9,179.26 R12.2
Net-(D56-A): length 9.2
  Top w1.24: D56.2 191.54,30.64 SW50.2
Net-(D57-A): length 9.8
  Top w1.24: D57.2 179.97,58.88 SW51.2
Net-(D58-A): length 6.7
  Top w1.24: SW54.2 186.17,76.82 D58.2
Net-(D59-A): length 5.8
  Top w1.24: SW53.2 186.46,102.81 D59.2
Net-(D60-A): length 11.6
  Top w1.24: D60.2 185.73,140.1 SW52.2
Net-(D61-A): length 7.9
  Top w1.24: SW55.2 175.03,43 D61.2
Net-(D62-A): length 13.6
  Top w1.24: D62.2 164.81,108.86 164.81,118.94 SW58.2
Net-(D63-A): length 11.3
  Top w1.24: D63.2 164.88,88.95 164.88,97.94 SW56.2
Net-(D64-A): length 12.1
  Top w1.24: SW57.2 162.88,139.94 162.88,130.34 D64.2
Net-(D65-A): length 11.6
  Top w1.24: D65.2 164.88,67.76 164.88,76.86 SW59.2
Net-(D66-A): length 11.7
  Top w1.24: D66.2 185.69,152.44 185.69,161.25 SW60.2
Net-(D67-A): length 9
  Top w1.24: D67.2 156.65,53.25 SW65.2
Net-(D68-A): length 12.4
  Top w1.24: D68.2 141.78,130.96 141.78,140.04 SW62.2
Net-(D69-A): length 12.4
  Top w1.24: SW63.2 143.72,118.94 143.72,109.56 D69.2
Net-(D70-A): length 11.5
  Top w1.24: D70.2 143.91,89.13 143.91,98.04 SW61.2
Net-(D71-A): length 11.6
  Top w1.24: SW64.2 143.88,76.86 143.88,67.86 D71.2
Net-(D72-A): length 11.5
  Top w1.24: SW66.2 163.88,161.14 163.88,152.25 D72.2
Net-(D73-A): length 11.5
  Top w1.24: D73.2 120.69,133.56 120.69,142.25 SW69.2
Net-(D74-A): length 11.8
  Top w1.24: D74.2 122.72,91.03 122.72,100.34 SW67.2
Net-(D75-A): length 11.8
  Top w1.24: SW71.2 122.88,79.16 122.88,69.67 D75.2
Net-(D76-A): length 11.4
  Top w1.24: SW68.2 122.88,57.94 122.88,49.36 D76.2
Net-(D77-A): length 12.7
  Top w1.24: SW70.2 122.43,121.24 122.43,111.46 D77.2
Net-(D78-A): length 12.9
  Top w1.24: D78.2 142.37,151.44 v1(143.25,151.44)
  Bottom w1.24: v1(143.25,151.44) 141.65,153.04 141.65,161.68 SW72.2
Net-(D79-A): length 11.7
  Top w1.24: SW75.2 99.19,144.75 99.19,134.84 D79.2
Net-(D80-A): length 12
  Top w1.24: SW76.2 101.03,123.74 101.03,114.07 D80.2
Net-(D81-A): length 12.3
  Top w1.24: SW73.2 101.53,102.75 101.53,93.35 D81.2
Net-(D82-A): length 11.6
  Top w1.24: SW77.2 101.89,81.68 101.89,72.9 D82.2
Net-(D83-A): length 11.7
  Top w1.24: SW74.2 101.88,60.34 101.88,51.25 D83.2
Net-(D84-A): length 11.9
  Top w1.24: SW78.2 120.88,161.34 120.88,152.66 D84.2
Net-(D85-A): length 11.9
  Top w1.24: SW79.2 80.22,100.34 80.22,91.34 D85.2
Net-(D86-A): length 11.6
  Top w1.24: SW80.2 80.88,56.34 80.88,47.06 D86.2
Net-(D87-A): length 12.6
  Top w1.24: SW81.2 78.5,142.14 78.5,133.06 D87.2
Net-(D88-A): length 12.5
  Top w1.24: D88.2 79.81,111.35 79.81,121.14 SW82.2
Net-(D89-A): length 11.9
  Top w1.24: SW83.2 80.81,79.26 80.81,69.67 D89.2
Net-(D90-A): length 11.6
  Top w1.24: D90.2 99.88,152.26 99.88,161.25 SW84.2
Net-(D91-A): length 11.6
  Top w1.24: D91.2 59.88,44.06 59.88,53.36 SW86.2
Net-(D92-A): length 16.3
  Top w1.24: SW87.2 57.73,137.38 57.73,126.4 D92.2
Net-(D93-A): length 12.7
  Top w1.24: SW88.2 58.19,116.44 58.19,105.97 D93.2
Net-(D94-A): length 11.3
  Top w1.24: D94.2 59.08,87.79 59.08,95.88 SW85.2
Net-(D95-A): length 12.2
  Top w1.24: SW89.2 59.84,74.66 59.84,64.48 D95.2
Net-(D96-A): length 11.9
  Top w1.24: SW90.2 78.69,161.25 78.69,153.06 D96.2
Net-(D97-A): length 11.4
  Top w1.24: SW92.2 38.34,53.26 38.34,43.76 D97.2
Net-(D98-A): length 11.2
  Top w1.24: SW91.2 33.47,95.54 33.47,87.59 D98.2
Net-(D99-A): length 12.3
  Top w1.24: D99.2 33.89,65.19 33.89,74.47 SW95.2
Net-(D100-A): length 16.4
  Top w1.24: SW93.2 31.65,137.58 31.65,126.21 D100.2
Net-(D101-A): length 12.6
  Top w1.24: SW94.2 32.2,116.44 32.2,105.64 D101.2
Net-(D102-A): length 11.7
  Top w1.24: SW96.2 57.88,161.34 57.88,152.25 D102.2
Net-(U2-RUN): length 53.5
  Top w1.24: SW49.1 140.88,187.97 181.44,187.97 U2.30

## Copper pours and planes (outline as drawn; the poured copper is in the pictures)
GNDL on Top, Bottom: 215.9,0 -8.1,0 -8,208.1 215,208.1
GNDR on Top, Bottom: 442.9,0 222.9,0 222,208.1 442.9,208.1

## Text on the board
F.Silkscreen: OMIT R11,R9 IF SERIAL COMM. | OMIT R5,R3 IF SERIAL COMM. | https://github.com/Supermagnum/Europe-ergo
